# Altium PCB BytePipe_x9002_HDK_Rev2.PcbDoc (part 2 of 5)
Units mil, origin at the board's own origin, x right, y up, seen from the top; angles counter-clockwise.
Board outline 4250 x 4250 mil, 8 copper layers (Top Layer, L2-GND, L3-SIG, L4-GND, L5-PWR, L6-SIG, L7-GND, Bottom Layer), stack 63 mil thick; 296 components, 250 nets, 1198 pads, 2326 vias.
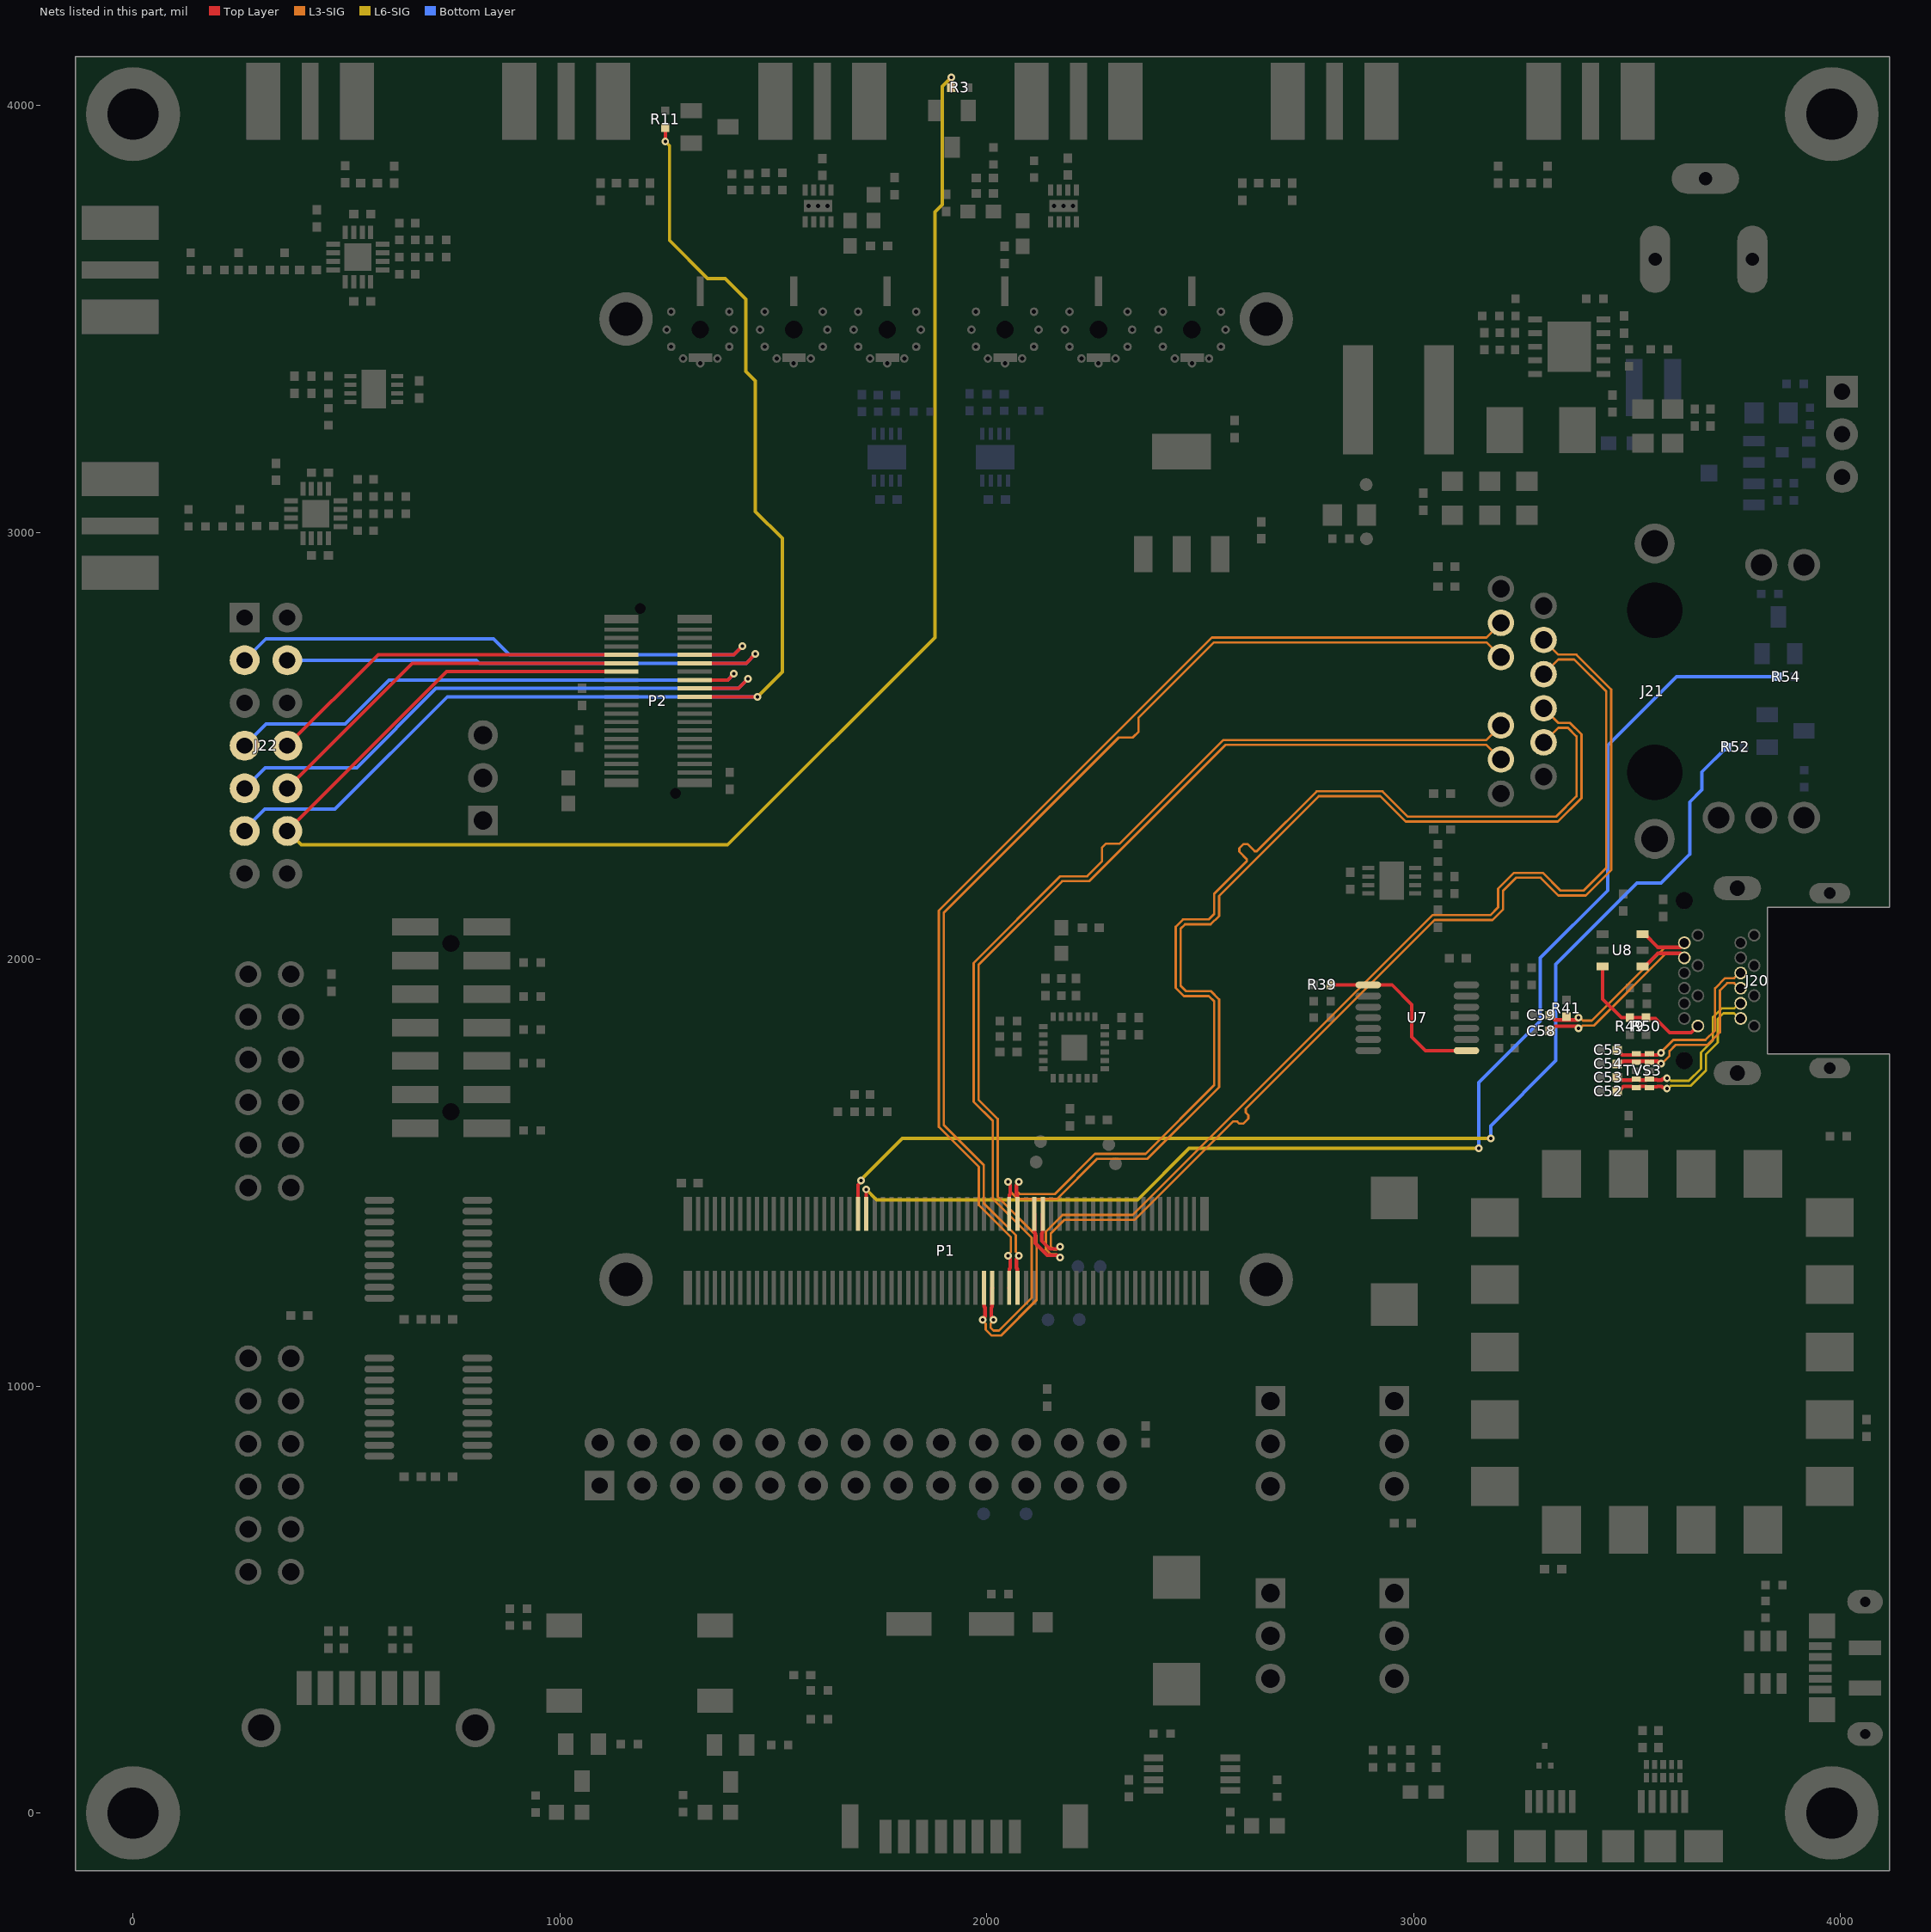
[diagram p8: the nets of this part, all layers, seen from the top]

## Footprints (in the part's own frame and the unit in brackets; to place one, negate y for a bottom-side part, rotate by r counter-clockwise, add the part's x,y. Pads: shape width x height; smd on the part's side, far side on the other; paste and mask are expansions set on the pad) (continued)
SM/SOT323_A [mil]
  rect 24x31 smd mask+3: 1(-25,-31) 2(25,-31) 3(0,31)
  silkscreen extent -45,-5 45,30
SM/SWITCH/E-SWITCH/SPST [mil] "SWITCH TACTILE SPST-NO 0.05A 12V"
  rect 84x56 smd paste+0 mask+3: 1(0,0) 2(354,0) 3(0,176) 4(354,176)
  silkscreen extent -55,-40 409,216, body extent -20,-30 374,206, height 172
SM/TESTPOINT/30MIL [mil]
  round 30 smd paste-15 mask+2: 1(0,0)
SM/TSOP-6_A [mil] "Built for the IP422OCZ6"
  rect 18x28 smd mask+3: 1(37.5,47) 2(0,47) 3(-37.5,47) 4(-37.5,-47) 5(0,-47) 6(37.5,-47)
  silkscreen extent -65,-75 65,75, body extent -57,-46 57,46, height 39
SM/TSSOP14_5X6.4MM_A [mil]
  oval 16x60 smd mask+3: 1(-77,-115) 2(-51,-115) 3(-25,-115) 4(0,-115) 5(25,-115) 6(51,-115) 7(77,-115) 8(77,115) 9(51,115) 10(25,115) 11(0,115) 12(-25,115) 13(-51,115) 14(-77,115)
  silkscreen extent -115,-165 115,165, body extent -98,-126 98,126, height 47
SM/TSSOP20_6.5X6.4MM [mil]
  oval 16x70 smd mask+3: 1(0,0) 2(25.5,0) 3(51,0) 4(76.5,0) 5(102,0) 6(127.5,0) 7(153,0) 8(178.5,0) 9(204,0) 10(229.5,0) 11(229.5,230) 12(204,230) 13(178.5,230) 14(153,230) 15(127.5,230) 16(102,230) 17(76.5,230) 18(51,230) 19(25.5,230) 20(0,230)
  silkscreen extent -25,-50 255,280, body extent -15,-14 245,244, height 47
SM/WSON10/4x4MM_A [mil] ".8mm lead pitch"
  rect 14x32 smd paste+0 mask+3: 1(-64,-80) 2(-32,-80) 3(0,-80) 4(32,-80) 5(64,-80) 6(64,80) 7(32,80) 8(0,80) 9(-32,80) 10(-64,80)
  rect 118x102 smd paste-10 mask+3: 11(0,0)
  silkscreen extent -85,-112 85,90
SWITCH/NIDEC/SPDT/AS1D-2M-10-Z [mil] "SWITCH SLIDE SPDT 50MA 48V"
  rect 75x75 hole 38: 1(0,0)
  round 75 hole 38: 2(0,-100) 3(0,-200)
  silkscreen extent -105,-290 106,99, body extent -98,-287 98,87, height 485

## Part data
C1 C4 C23 C27 C38 C39 C43 C47 C48 C67 C70 C71 C72 C75 C76 C82 C85 C88 C91: "CAP CER 4.7UF 10V X5R 0402", VOLT=10V, OEM#=CL05A475MP5NRNC, OEM NAME=Samsung, TOL=±20%
C2 C3 C5 C18 C77 C80 C83 C86 C89: "10µF ±20% 10V Ceramic Capacitor X5R 0402 (1005 Metric)", VOLT=10V, OEM#=CL05A106MP8NUB8, OEM NAME=Samsung, TOL=±20%
C6 C12 C13 C19 C21 C22: "CAP CER 100PF 50V C0G/NP0 0402", VOLT=50V, OEM#=CL05C101JB5NNNC, OEM NAME=Samsung, TOL=±5%
C7 C20: "CAP CER 1UF 16V X5R 0402", VOLT=16V, OEM#=CL05A105KO5NNNC, OEM NAME=Samsung, TOL=±10%
C24 C26 C28 C30 C31 C32 C33 C34 C35 C40 C41 C42 C44 C45 C46 C49 C50 C51 C52 C53 C54 C55 C56 C57 C58 C59 C60 C61 C62 C63 C64 C65 C66 C68 C69 C78 C79 C81 C84 C87 C90: "CAP CER 0.1UF 25V X7R 0402", VOLT=25V, OEM#=CL05B104KA5NNNC, OEM NAME=Samsung, TOL=±10%
C25 C29: "CAP CER 10000PF 50V X7R 0402", VOLT=50V, OEM#=CL05B103KB5VPNC, OEM NAME=Samsung, TOL=±10%
C36 C37: library part CAP_TANT-D, "CAP TANT 150UF 20% 10V 2917", VOLTS=10V, OEM#=T491D157M010AT, OEM NAME=KEMET
C73 C74 C97: library part CAP_CERAMIC_0402, "CAP CER 1000PF 50V C0G/NP0 0402", VOLT=50V, OEM NAME="Murata Electronics", OEM#=GRM1555C1H102FA01D, TOL=1%
C92 C93 C94: "CAP CER 10UF 35V X5R 0805", VOLT=35V, TOL=20%
  C92 C93: OEM NAME="Murata Electronics", OEM#=GRM21BR6YA106ME43L
  C94: OEM NAME="Taiyo Yuden", OEM#=GMK212BBJ106MG-T
C95 C104: VOLT=50V, OEM NAME=Murata, OEM#=GRT188R61H105KE13D, TOL=10%
C96: "CAP CER 0.1UF 50V X7R 0402", VOLT=50V, OEM NAME="TDK Corporation", OEM#=CGA2B3X7R1H104K050BB, TOL=10%
C98 C99 C100: "CAP CER 22UF 16V X5R 0805", VOLT=16V, OEM NAME="Murata Electronics", OEM#=GRM219R61C226ME15L, TOL=20%
C101: library part CAP_CERAMIC_0402, "CAP CER 10000PF 50V X7R 0402", VOLT=50V, OEM NAME="Murata Electronics", OEM#=GCM155R71H103KA55J, TOL=10%
C102: library part CAP_CERAMIC_0402, "CAP CER 47PF 50V C0G/NP0 0402", VOLT=50V, OEM NAME="Murata Electronics", OEM#=GCM1555C1H470JA16D, TOL=5%
C103: library part CAP_CERAMIC_0402, "CAP CER 4700PF 50V X7R 0402", VOLT=50V, OEM NAME=Murata, OEM#=GRM155R71H472KA01J, TOL=10%
D1: "DIODE SCHOTTKY 60V 5A SMB", OEM NAME=STMicroelectronics, OEM#=STPS5L60U
J1: library part CON_100SP_1X3P_MLX_KK100, "Connector Header Through Hole 3 position 0.100\" (2.54mm).  Molex KK 100 Series.", OEM NAME=MOLEX, OEM#=0022112032
J3 J5 J7 J9 J11 J13 J15 J16: "SMA board edge style, .250\" wide style", OEM#=142-0711-821, OEM NAME=Cinch
J4 J6 J8 J10 J12 J14: "SMPM Connector Plug, Male Pin 50Ohm Surface Mount Solder. Based off of Amphenol 925-144J-51PT", OEM NAME=AMP, OEM#=925-144J-51PT
J17: "7 Position SATA Plug Connector Solder Surface Mount, Right Angle", OEM#=0470804002, OEM NAME=MOLEX
J18: "CONN RCPT USB3.1 MICRO B SMD R/A", OEM#=GSB443133HR, OEM NAME="Amphenol ICC"
J19: library part CON_HIROSE_MICRO-SD_HINGED, "10 (8 + 2) Position Card Connector Secure Digital - microSD™ Surface Mount, Right Angle Gold", OEM#=DM3C-SF, OEM NAME="Hirose Electric Co Ltd"
J20: "DisplayPort, Mini  Receptacle Connector 20 Position Through Hole, Right Angle..", OEM#=2129320-3, OEM NAME=TE
J21: "1 Port RJ45 Magjack Connector Through Hole 10/100/1000 Base-T, AutoMDIX", OEM#=L829-1J1T-43, OEM NAME="Bel Fuse Inc"
J22: "Connector Header Through Hole 14 position 0.100\" (2.54mm)", OEM#=2011-2X07TSB, OEM NAME="Harwin Inc."
J23: "PIN HEADER, DOUBLE ROW 26 PIN, S", OEM#=M20-9981345, OEM NAME="Harwin Inc."
J24: "Connector Header Surface Mount 14 position 0.079\" (2.00mm)", OEM#=0878321420, OEM NAME=MOLEX
J25: "Wurth DC power jack, 2.1mm pin, right angle", OEM#=694106301002, OEM NAME=WURTH
J26: "USB MICRO-B RIGHT ANGLE, MOLEX 1051640001", OEM#=1051640001, OEM NAME="Molex, LLC"
J28 J31: "Header, 100 mil, 2x6, Right Angle, PMOD pin out.", OEM#=SSW-106-02-T-D-RA, OEM NAME=SAMTEC
JP1 JP2 JP3 JP4: "PIN HEADER, SINGLE ROW 3 PIN STR", OEM#=PH1-03-UA, OEM NAME="Adam Tech"
L1 L7 L9 L10: "120 Ohms @ 100MHz 1 Power Line Ferrite Bead 0603 (1608 Metric) 3A 25mOhm", OEM NAME="Murata Electronics"
  L1 L7: OEM#=BLM18SG221TN1D
  L9 L10: OEM#=BLM18SG121TN1D
L2 L3 L5 L6 R10 R39 R40 R42 R100 R101: "RES SMD 0 OHM JUMPER 1/10W 0402", OEM#=ERJ-2GE0R00X, OEM NAME=Panasonic
  R10 R39 R40 R42 R100 R101: TOL=1%
L4 L8: "FIXED IND 68NH 300MA 800 MOHM", OEM#=LQG18HH68NJ00D, OEM NAME=Murata
L11: "Fixed Inductors 4.7uH 20% 5.1A 44.1mOhms AEC-Q200", OEM NAME=Coilcraft, OEM#=XAL4030-472MEC
LED1 LED2 LED3: "LED-0603", OEM NAME=OSRAM
  LED1: OEM#="LS Q976-NR-1"
  LED2 LED3: OEM#="LG L29K-F2J1-24-Z"
MH1 MH2 MH3 MH4: "125 mil pad / 78 mil hole"
MH5 MH6 MH7 MH8: "220 mil pad / 120 mil hole (#4 Pan Head Screw)"
P1: library part CON_JAE_WR-120S-VFH30-N1, "0.5 mm pitch, 120 Position Connector Receptacle, Center Strip Contacts Surface Mount Gold.", OEM#=WR-120S-VFH30-N1, OEM NAME=JAE
P2: library part CON_JAE_WR-40SB-VFH30-N1, "0.5 mm pitch, 40 Position Connector Receptacle, Center Strip Contacts Surface Mount Gold, with Alignment Pins.", OEM#=WR-40SB-VFH30-N1, OEM NAME=JAE
Q1 Q2 Q3 Q4 Q5 Q6: "Bipolar (BJT) Transistor NPN 40V 200mA 300MHz 300mW Surface Mount SOT-23-3 (TO-236)", OEM#=MMBT3904LT1G, OEM NAME="ON Semiconductor"
Q7: library part FET_P-CHANNEL_PPAK-SO-8, "P-Channel 20 V 60A (Tc) 6.25W (Ta), 104W (Tc) Surface Mount PowerPAK® SO-8", OEM NAME="VISHAY SILICONIX", OEM#=SI7157DP-T1-GE3
Q8: "FET, N-Channel, SC70/SOT323", OEM NAME="ON Semi", OEM#=BSS138W
R1 R3 R4 R11 R77 R78 R79 R86 R88: "RES SMD 10K OHM 1% 1/10W 0402", OEM#=ERJ-2RKF1002X, OEM NAME=Panasonic
  R1 R3 R4 R11: TOL=±1%
  R77 R78 R79 R86 R88: TOL=1%
R6 R7 R18 R19: "RES SMD 127 OHM 1% 1/10W 0402", OEM#=ERJ-2RKF1270X, OEM NAME=Panasonic, TOL=1%
R8 R9 R12 R20 R21 R22 R37 R49 R55 R56 R57 R58 R59 R61: "RES SMD 39 OHM 1% 1/10W 0402", OEM#=ERJ-2RKF39R0X, OEM NAME=Panasonic, TOL=1%
R13 R14 R15 R23 R24 R43 R44: "RES 49.9 OHM 1% 1/10W 0402", OEM#=ERJ-2RKF49R9X, OEM NAME=Panasonic, TOL=±1%
R16 R17 R25 R26: "RES SMD 150 OHM 1% 1/10W 0402", OEM#=ERJ-2RKF1500X, OEM NAME=Panasonic, TOL=±1%
R27 R83: "RES SMD 1K OHM 1% 1/10W 0402", OEM#=ERJ-2RKF1001X, OEM NAME=Panasonic, TOL=±1%
R30 R31 R51 R53 R65 R69: "RES SMD 240 OHM 1% 1/10W 0402", OEM#=ERJ-2RKF2400X, OEM NAME=Panasonic, TOL=1%
R32: "RES 2 OHM 1% 1/10W 0402 SMD", OEM#=ERJ-U02F2R00X, OEM NAME=Panasonic, TOL=±1%
R35 R36 R62: "RES SMD 4.7K OHM 1% 1/10W 0402", OEM#=ERJ-2RKF4701X, OEM NAME=Panasonic, TOL=1%
R38 R41 R50 R52 R54 R60 R68 R70 R85: "RES SMD 100K OHM 1% 1/10W 0402", OEM#=ERJ-2RKF1003X, OEM NAME=Panasonic, TOL=1%
R45 R46: "RES SMD 1M OHM 1% 1/10W 0402", OEM#=ERJ-2RKF1004X, OEM NAME=Panasonic, TOL=±1%
R47: "RES SMD 1.5K OHM 1% 1/10W 0402", OEM#=ERJ-2RKF1501X, OEM NAME=Panasonic, TOL=±1%
R48: "RES SMD 2.49K OHM 1% 1/10W 0402", OEM#=ERJ-2RKF2491X, OEM NAME=Panasonic, TOL=±1%
R66: "RES 120K OHM 1% 1/10W 0402 SMD", OEM NAME=Panasonic, OEM#=ERJ-2RKF1203X, TOL=±1%
R67 R72: "RES SMD 78.7K OHM 1% 1/10W 0402", OEM#=ERJ-2RKF7872X, OEM NAME=Panasonic, TOL=±1%
R71: "RES SMD 140K OHM 1% 1/10W 0402", OEM#=ERJ-2RKF1403X, OEM NAME=Panasonic, TOL=±1%
R73 R75: "RES SMD 200K OHM 1% 1/10W 0402", OEM#=ERJ-2RKF2003X, OEM NAME=Panasonic, TOL=±1%
R74 R76: "RES SMD 64.9K OHM 1% 1/10W 0402", OEM#=ERJ-2RKF6492X, OEM NAME=Panasonic, TOL=±1%
R80 R102 R103: "DNP", OEM#=DNP
  R80: OEM NAME=Panasonic
R81: "RES SMD 0 OHM JUMPER 1/8W 0805", OEM NAME=Panasonic, OEM#=ERJ-6GEY0R00V
R82: "RES SMD 52.3K OHM 1% 1/10W 0402", OEM NAME=Panasonic, OEM#=ERJ-2RKF5232X, TOL=1%
R84: "RES SMD 2 KOHM 1% 1/5W 0402", OEM NAME="Panasonic Electronic Components", OEM#=ERJ-PA2F2001X, TOL=1%
R87: "RES SMD 16.9K OHM 1% 1/10W 0402", OEM NAME=Panasonic, OEM#=ERJ-2RKF1692X, TOL=1%
SW1: "Tactile Switch SPST-NO Top Actuated Surface Mount", OEM#=TL3301NF160QG, OEM NAME=E-SWITCH
SW2: library part SWITCH_SLIDE_NIDEC_SPDT, "SWITCH SLIDE SPDT 50MA 48V", OEM NAME="Nidec Copal Electronics", OEM#=AS1D-2M-10-Z
TVS1 TVS3: "TVS DIODE 5.5V 14V 10SON", OEM#=TPD4E05U06-Q1, OEM NAME=TI
TVS2: "TVS DIODE 5.5V 8V SOT3", OEM#=TPD2EUSB30DRTR, OEM NAME="Texas Instruments", WATT=45
U1 U2: "RF Amplifier 50-4000MHz NF .66dB Gain 16.5dB @1.9GHz", OEM#=TQP3M9035, OEM NAME=Qorvo
U3 U4: "IC CLK BUFFER 1:4 7GHZ 16LFCSP", OEM#=ADCLK944BCPZ-R2, OEM NAME="ANALOG DEVICES"
U5: "Power Switch/Driver 1:1 N-Channel 1.5A 8-MSOP", OEM#=MIC2544-1YMM, OEM NAME=MICROCHIP
U6: "IC Programable Clock Generator", OEM#=5P49V5935B000LTGI, OEM NAME=Renesas
U7: "1/1 Transceiver Full LVDS 14-TSSOP", OEM#=FIN1019MTCX, OEM NAME="ON Semiconductor"
U8: "Dual USB ESD Protection", OEM#=IP4220CZ6,125, OEM NAME=NXP
U9: "SMT Programming module for Xilinx FPGAs.", OEM#=JTAG-SMT3-NC, OEM NAME=DIGILENT
U10 U11: "IC TRNSLTR BIDIRECTIONAL 20VQFN", OEM#=TXS0108EPW, OEM NAME="Texas Instruments"
U12: "Clamp Ipp Tvs Diode Surface Mount SOT-23-6.", OEM#=CDSOT23-SR208, OEM NAME="Bourns Inc."
U13: "Linear Voltage Regulator IC 3.3V Output 1A SOT-223-3", OEM#=ADP3338AKCZ-3.3-RL, OEM NAME="ANALOG DEVICES"
U14 U15 U16 U17: "Linear Voltage Regulator IC  1 Output  500mA 8-LFCSP-WD (3x3)", OEM#=ADP3334ACPZ-REEL7, OEM NAME="ANALOG DEVICES"
U18: "4.5-V to 60-V Input, 5-A, Step-Down DC-DC Converter with Soft-Start and Eco-mode", OEM NAME="Texas Instruments", OEM#=TPS54561DPRR
C8 C9 C10 C11 C14 C15 C16 C17 R2 R5: OEM#=DNP
L12: OEM NAME=Coilcraft, OEM#=XAL7030-562MEC
R28 R29 R33 R34 R63 R64: OEM#=ERJ-2RKF1002X, OEM NAME=Panasonic, TOL=±1%

## Via types
v1: diameter 18, hole 8, Top Layer to Bottom Layer, tented both sides, 2283 vias
v2: diameter 20, hole 10, Top Layer to Bottom Layer, tented both sides, 39 vias
v3: diameter 16, hole 8, Top Layer to Bottom Layer, tented both sides, 4 vias

## Nets (pads, with @x,y where several pads share a name; then routed paths per layer and width w, separated by ;. In a path a pad name is that pad's centre, name@x,y a point inside that pad or via, vN(x,y) a via of type N, cw(c..) or ccw(c..) an arc to the next point about the centre after c; other vN are vias at no path point)
AGPIO_1: J22.7 P2.16 | length 1313.8
  Top Layer w8: P2.16@1316.61,2654.21 1393.09,2654.21 1407.88,2669 v1(1408,2669)
  Bottom Layer w8: J22.7@261.5,2500.5 312.25,2551.25 497.29,2551.25 600.25,2654.21 1393.21,2654.21 v1(1408,2669)
AGPIO_2: J22.8 P2.09 | length 870
  Top Layer w8: J22.8@361.5,2500.5 574.27,2713.27 P2.09@1143.39,2713.27
AGPIO_3: J22.9 P2.18 | length 1419.4
  Top Layer w8: P2.18@1316.61,2634.53 1418.53,2634.53 v1(1441,2657)
  Bottom Layer w8: J22.9@261.5,2400.5 309.93,2448.93 524.35,2448.93 709.95,2634.53 1418.53,2634.53 v1(1441,2657)
AGPIO_4: J22.10 P2.11 | length 903.3
  Top Layer w8: J22.10@361.5,2400.5 654.58,2693.58 P2.11@1143.39,2693.58
AGPIO_5: J22.11 P2.20 R11.1 | length 2975.3
  Top Layer w8: J22.11@261.5,2300.5 J22.11@261.5,2304.37 ; v1(1247,3916) R11.1@1247,3948 ; P2.20@1316.61,2614.84 v1(1463.16,2614.84)
  L6-SIG w8: v1(1247,3916) 1257,3906 1257,3684 1346,3595 1387,3595 1436,3546 1436,3377.31 1458,3355.31 1458,3049 1521,2986 1521,2672.68 v1(1463.16,2614.84)
  Bottom Layer w8: J22.11@261.5,2304.37 308.55,2351.41 472.88,2351.41 736.31,2614.84 v1(1463.16,2614.84)
AGPIO_6: J22.12 P2.13 R3.1 | length 4020.6
  Top Layer w8: J22.12@361.5,2300.5 734.9,2673.9 P2.13@1143.39,2673.9 ; R3.1@1917,4042 v1(1917,4066)
  L6-SIG w8: J22.12@361.5,2300.5 394,2268 1393,2268 1879,2754 1879,3751 1896,3768 1896,4045 v1(1917,4066)
AUXADC_0: J22.3 P2.10 | length 1331.1
  Top Layer w8: P2.10@1316.61,2713.27 1407.27,2713.27 v1(1428,2734)
  Bottom Layer w8: J22.3@261.5,2700.5 311.34,2750.34 844.64,2750.34 881.71,2713.27 1407.27,2713.27 v1(1428,2734)
AUXADC_1: J22.4 P2.12 | length 1258.5
  Top Layer w8: P2.12@1316.61,2693.58 1436.58,2693.58 v1(1458,2715)
  Bottom Layer w8: J22.4@361.5,2700.5 804.06,2700.5 810.97,2693.58 1436.58,2693.58 v1(1458,2715)
DP_HPD: J20.2 R49.2 R50.2 U8.3 | length 339.2
  Top Layer w8: U8.3@3443,1983.5 3443,1907 3487,1863 R49.2@3507,1863 R50.2@3545,1863 3547,1861 3567,1861 3600.26,1827.74 3650.26,1827.74 J20.2@3666.22,1843.7
DP_RE_N: R39.1 U7.1 U7.8 | length 426.3
  Top Layer w8: R39.1@2806,1940 U7.1@2894,1940 2950,1940 2996,1894 2996,1818 3028,1786 U7.8@3124,1786
DP_TX2_N: C55.2 J20.11 TVS3.5 TVS3.6 | length 427.7
  Top Layer w8.75: C55.2@3480,1787 3480,1785 3489.1,1775.9 3522.03,1775.9 TVS3.6@3524.5,1778.37 ; TVS3.6@3525.58,1775.9 3550.61,1775.9 TVS3.5@3553.08,1778.37 3555.58,1775.88 3571.95,1775.88 3577.08,1781 v1(3579.58,1781)
  L3-SIG w5.5: v1@3582,1784.38 3608.62,1811 3684,1811 3706.5,1833.5 3706.5,1932.01 3730.24,1955.75 3751.14,1955.75 3763.11,1967.72 J20.11@3766.61,1967.72
DP_TX2_P: C54.2 J20.9 TVS3.4 TVS3.7 | length 439.3
  Top Layer w8.75: C54.2@3480,1754.67 3481.3,1755.97 3481.3,1757.97 3483.62,1760.29 3490.89,1760.29 3491.75,1761.15 3522.03,1761.15 TVS3.7@3524.5,1758.68 ; TVS3.7@3525.58,1761.15 TVS3.4@3549.44,1761.15 ; TVS3.4@3549.47,1761.12 3550.64,1761.12 TVS3.4@3553.08,1758.68 3555.52,1761.12 3571.95,1761.12 3577.08,1756 v1(3579.58,1756)
  L3-SIG w5.5: v1@3582,1756 3582.1,1756 3599.75,1773.65 3599.75,1784.75 3614.5,1799.5 3688.76,1799.5 3718,1828.74 3718,1927.25 3735,1944.25 3751.14,1944.25 3763.11,1932.28 J20.9@3766.61,1932.28
DP_TX3_N: C53.2 J20.5 TVS3.2 TVS3.9 | length 420.2
  Top Layer w8.75: C53.2@3481,1723.33 3480,1723.33 3480,1721.33 3483.62,1717.71 3487.97,1717.71 3488.75,1716.92 3511.44,1716.92 3512.21,1717.69 3520.46,1717.69 TVS3.9@3522.08,1719.31 3527.08,1719.31 3529.55,1716.85 TVS3.2@3544.58,1716.85 ; TVS3.2@3553.08,1719.31 3554.71,1717.69 3570.58,1717.69 3571.43,1716.85 3581.65,1716.85 3584.56,1719.75 3591.85,1719.75 v1(3593.62,1721.52)
  L6-SIG w5.5: v1(3593.62,1721.52) 3596.84,1721.52 3603.09,1715.27 3610.87,1715.27 3645.02,1715.27 3673.5,1743.75 3673.5,1781.76 3701.5,1809.76 3701.5,1864.76 3721.62,1884.88 3751.14,1884.88 3763.11,1896.85 J20.5@3766.61,1896.85
DP_TX3_P: C52.2 J20.3 TVS3.1 TVS3.10 | length 415
  Top Layer w8.75: C52.2@3480,1691 3481,1691 3492.17,1702.17 3511.29,1702.17 3512.21,1701.25 3520.46,1701.25 TVS3.10@3522.08,1699.63 ; TVS3.10@3527.08,1699.63 3529.55,1702.1 TVS3.1@3544.58,1702.1 ; TVS3.1@3553.08,1699.63 3554.71,1701.25 3570.58,1701.25 3571.43,1702.1 3581.75,1702.1 3584.56,1699.29 3591.85,1699.29 v1(3593.62,1697.52)
  L6-SIG w5.5: v1(3593.62,1697.52) 3596.84,1697.52 3603.09,1703.77 3615.63,1703.77 3649.79,1703.77 3685,1738.99 3685,1777 3713,1805 3713,1860 3726.38,1873.38 3751.14,1873.38 3763.11,1861.42 J20.3@3766.61,1861.42
DPAUX_C_N: C59.2 J20.18 R41.1 U8.6 | length 496.9
  Top Layer w8.75: C59.2@3320,1869 3321,1869 3326.62,1863.38 3326.62,1863 3331.75,1857.88 v1@3385,1857.88 ; U8.6@3537,2058.5 3542,2058.5 3572.12,2028.38 J20.18@3625.58,2028.38
  L3-SIG w5.5: v1(3387,1863) 3389.72,1863 3396.47,1856.25 3417.87,1856.25 3588.24,2026.62 3619.25,2026.62 3631.22,2038.58 J20.18@3634.72,2038.58
DPAUX_C_P: C58.2 J20.16 U8.4 | length 496.9
  Top Layer w8.75: C58.2@3320,1832 3321,1832 3326.62,1837.62 3326.62,1838 3331.75,1843.12 v1@3385,1843.12 ; U8.4@3537,1983.5 3542,1983.5 3572.12,2013.62 J20.16@3625.58,2013.62
  L3-SIG w5.5: v1(3387,1838) 3389.72,1838 3396.47,1844.75 3422.63,1844.75 3593,2015.12 3619.25,2015.12 3631.22,2003.15 J20.16@3634.72,2003.15
ETH_LED0: P1.81 R52.2 | length 2776.9
  Top Layer w8: P1.81@1698.31,1403.61 1698.65,1403.96 1698.65,1472 1705.83,1479.18 v1(1705.83,1481.69)
  L6-SIG w8: v1(1705.83,1481.69) 1705.83,1483.25 1802.58,1580 v1(3181,1580)
  Bottom Layer w8: v1(3181,1580) 3181,1609.73 3333.68,1762.41 3333.68,1988.68 3524,2179 3580,2179 3647,2246 3647,2368 3676,2397 3676,2439 R52.2@3734,2497
ETH_LED1: P1.79 R54.2 | length 3086
  Top Layer w8: P1.79@1717.99,1403.61 v1(1718,1461)
  L6-SIG w8: v1(1718,1461) 1742.27,1436.73 2353.77,1436.73 2474.03,1557 v1(3153,1557)
  Bottom Layer w8: v1(3153,1557) 3153,1711 3297,1855 3297,2003 3455,2161 3455,2501 3616,2662 R54.2@3853,2662
ETH_MD1_N: J21.10 P1.50 | length 2558.1
  Top Layer w8.75: P1.50@2013.27,1230.39 2012.64,1229.76 2012.64,1185.88 2010.77,1184.01 2010.77,1163.07 2015.89,1157.95 v1(2015.89,1155.44)
  L3-SIG w5.5: v1(2015.89,1155.44) 2015.89,1152.72 2009.14,1145.97 2009.14,1137.17 2016.31,1130 2028.74,1130 2105.67,1206.94 2105.67,1347.32 2014.5,1438.49 2014.5,1621.24 1969.5,1666.24 1969.5,1991.5 2172.5,2194.5 2235.24,2194.5 2270,2229.26 2270,2261 2280,2271 2311.74,2271 2554.49,2513.75 3170.75,2513.75 J21.10@3205,2548 J21.10@3203,2548
ETH_MD1_P: J21.11 P1.52 | length 2561.8
  Top Layer w8.75: v1(1990.89,1155.44) 1990.89,1157.95 1996.02,1163.07 1996.02,1184.07 1994.21,1185.88 P1.52@1994.21,1235.87
  L3-SIG w5.5: v1(1990.89,1155.44) 1990.89,1152.72 1997.64,1145.97 1997.64,1132.41 2011.55,1118.5 2033.5,1118.5 2117.17,1202.17 2117.17,1352.08 2026,1443.26 2026,1626 1981,1671 1981,1986.74 2177.26,2183 2240,2183 2559.25,2502.25 3170.75,2502.25 J21.11@3205,2468
ETH_MD2_N: J21.5 P1.43 | length 2556.1
  Top Layer w8.75: P1.43@2072.32,1403.61 2071.7,1404.24 2071.7,1448.12 2069.86,1449.96 2069.86,1470.9 2075.01,1476.05 v1(2075.01,1478.56)
  L3-SIG w5.5: v1(2075.01,1478.56) 2075.01,1475.83 2068.26,1469.08 2068.26,1458.74 2077,1450 2160,1450 2254,1544 2372.07,1544 2533,1704.93 2533,1901.26 2520.5,1913.76 2462.24,1913.76 2443,1933 2443,2076.26 2460,2093.26 2520,2093.26 2533,2106.26 2533,2153.26 2609.59,2229.85 2609.59,2234.41 2592,2252 2592,2260 2602,2270 2611,2270 2628,2253 2632.74,2253 2773.24,2393.5 2927.32,2393.5 2986.82,2334 3333.74,2334 3382,2382.26 3382,2522.25 3362,2542.25 3339.25,2542.25 J21.5@3305,2508
ETH_MD2_P: J21.4 P1.45 | length 2556.6
  Top Layer w8.75: v1(2050.01,1478.56) 2050.01,1476.05 2055.11,1470.96 2055.11,1449.96 2053.26,1448.12 2053.26,1404.24 P1.45@2052.64,1403.61
  L3-SIG w5.5: v1(2050.01,1478.56) 2050.01,1475.83 2056.76,1469.08 2056.76,1453.97 2072.24,1438.5 2164.76,1438.5 2258.76,1532.5 2376.84,1532.5 2544.5,1700.16 2544.5,1906.03 2525.26,1925.26 2467,1925.26 2454.5,1937.76 2454.5,2071.5 2464.76,2081.76 2524.76,2081.76 2544.5,2101.5 2544.5,2148.5 2778,2382 2922.55,2382 2982.05,2322.5 3338.5,2322.5 3393.5,2377.5 3393.5,2527.01 3366.76,2553.75 3339.25,2553.75 J21.4@3305,2588
ETH_MD3_N: J21.2 P1.37 | length 2556.8
  Top Layer w8.75: v1(2172.39,1326.8) 2169.88,1326.8 2164.76,1321.68 2148,1321.68 2128.91,1340.76 2128.91,1357.27 2130.75,1359.11 P1.37@2130.75,1402.99 ; P1.37@2130.75,1402.99 P1.37@2131.38,1403.61 P1.37@2130.75,1402.99
  L3-SIG w5.5: v1(2172.39,1326.8) 2169.67,1326.8 2162.92,1320.05 2157.95,1320.05 2150.23,1327.77 2150.23,1357.34 2182.53,1389.64 2346.9,1389.64 2577.26,1620 2587,1620 2592,1615 2601,1615 2613,1627 2613,1635 2607,1641 2607,1649.74 3049.26,2092 3185,2092 3210,2117 3210,2161 3240,2191 3298,2191 3339.5,2149.5 3403.5,2149.5 3463,2209 3463,2632.26 3381.51,2713.75 3339.25,2713.75 J21.2@3305,2748
ETH_MD3_P: J21.3 P1.39 | length 2556.1
  Top Layer w8.75: P1.39@2111.69,1403.61 2112.32,1402.99 2112.32,1359.11 2114.16,1357.27 2114.16,1334.65 2141.89,1306.93 2164.76,1306.93 2169.88,1301.8 v1(2172.39,1301.8)
  L3-SIG w5.5: v1(2172.39,1301.8) 2169.67,1301.8 2162.92,1308.55 2150.37,1308.55 2138.73,1320.2 2138.73,1362.1 2177.77,1401.14 2342.14,1401.14 3044.5,2103.5 3180.24,2103.5 3198.5,2121.76 3198.5,2165.76 3235.24,2202.5 3302.76,2202.5 3344.26,2161 3398.74,2161 3451.5,2213.76 3451.5,2627.5 3376.75,2702.25 3339.25,2702.25 J21.3@3305,2668
ETH_MD4_N: J21.9 P1.44 | length 2556.1
  Top Layer w8.75: P1.44@2072.32,1230.39 2071.7,1231.01 2071.7,1274.89 2069.86,1276.73 2069.86,1297.67 2075.01,1302.82 v1(2075.01,1305.33)
  L3-SIG w5.5: v1(2075.01,1305.33) 2075.01,1308.05 2068.26,1314.8 2068.26,1353.52 1993,1428.78 1993,1518.42 1899.5,1611.92 1899.5,2109.5 2309.5,2519.5 2342.5,2519.5 2356,2533 2356,2566 2532.25,2742.25 3170.75,2742.25 J21.9@3205,2708
ETH_MD4_P: J21.8 P1.46 | length 2555.8
  Top Layer w8.75: v1(2050.01,1305.33) 2050.01,1302.82 2055.11,1297.73 2055.11,1276.73 2053.26,1274.89 2053.26,1231.01 P1.46@2052.64,1230.39
  L3-SIG w5.5: v1(2050.01,1305.33) 2050.01,1308.05 2056.76,1314.8 2056.76,1348.75 1981.5,1424.01 1981.5,1513.66 1888,1607.16 1888,2114.26 2527.49,2753.75 3170.75,2753.75 J21.8@3205,2788